# Altium PCB ESP32.PcbDoc
Units mil, origin at the board's own origin, x right, y up, seen from the top; angles counter-clockwise.
Board outline 3136.98 x 2510.07 mil, 2 copper layers (Top Layer, Bottom Layer); 56 components, 39 nets, 226 pads, 29 vias.
Unrouted connection lines stored in the file: 59.
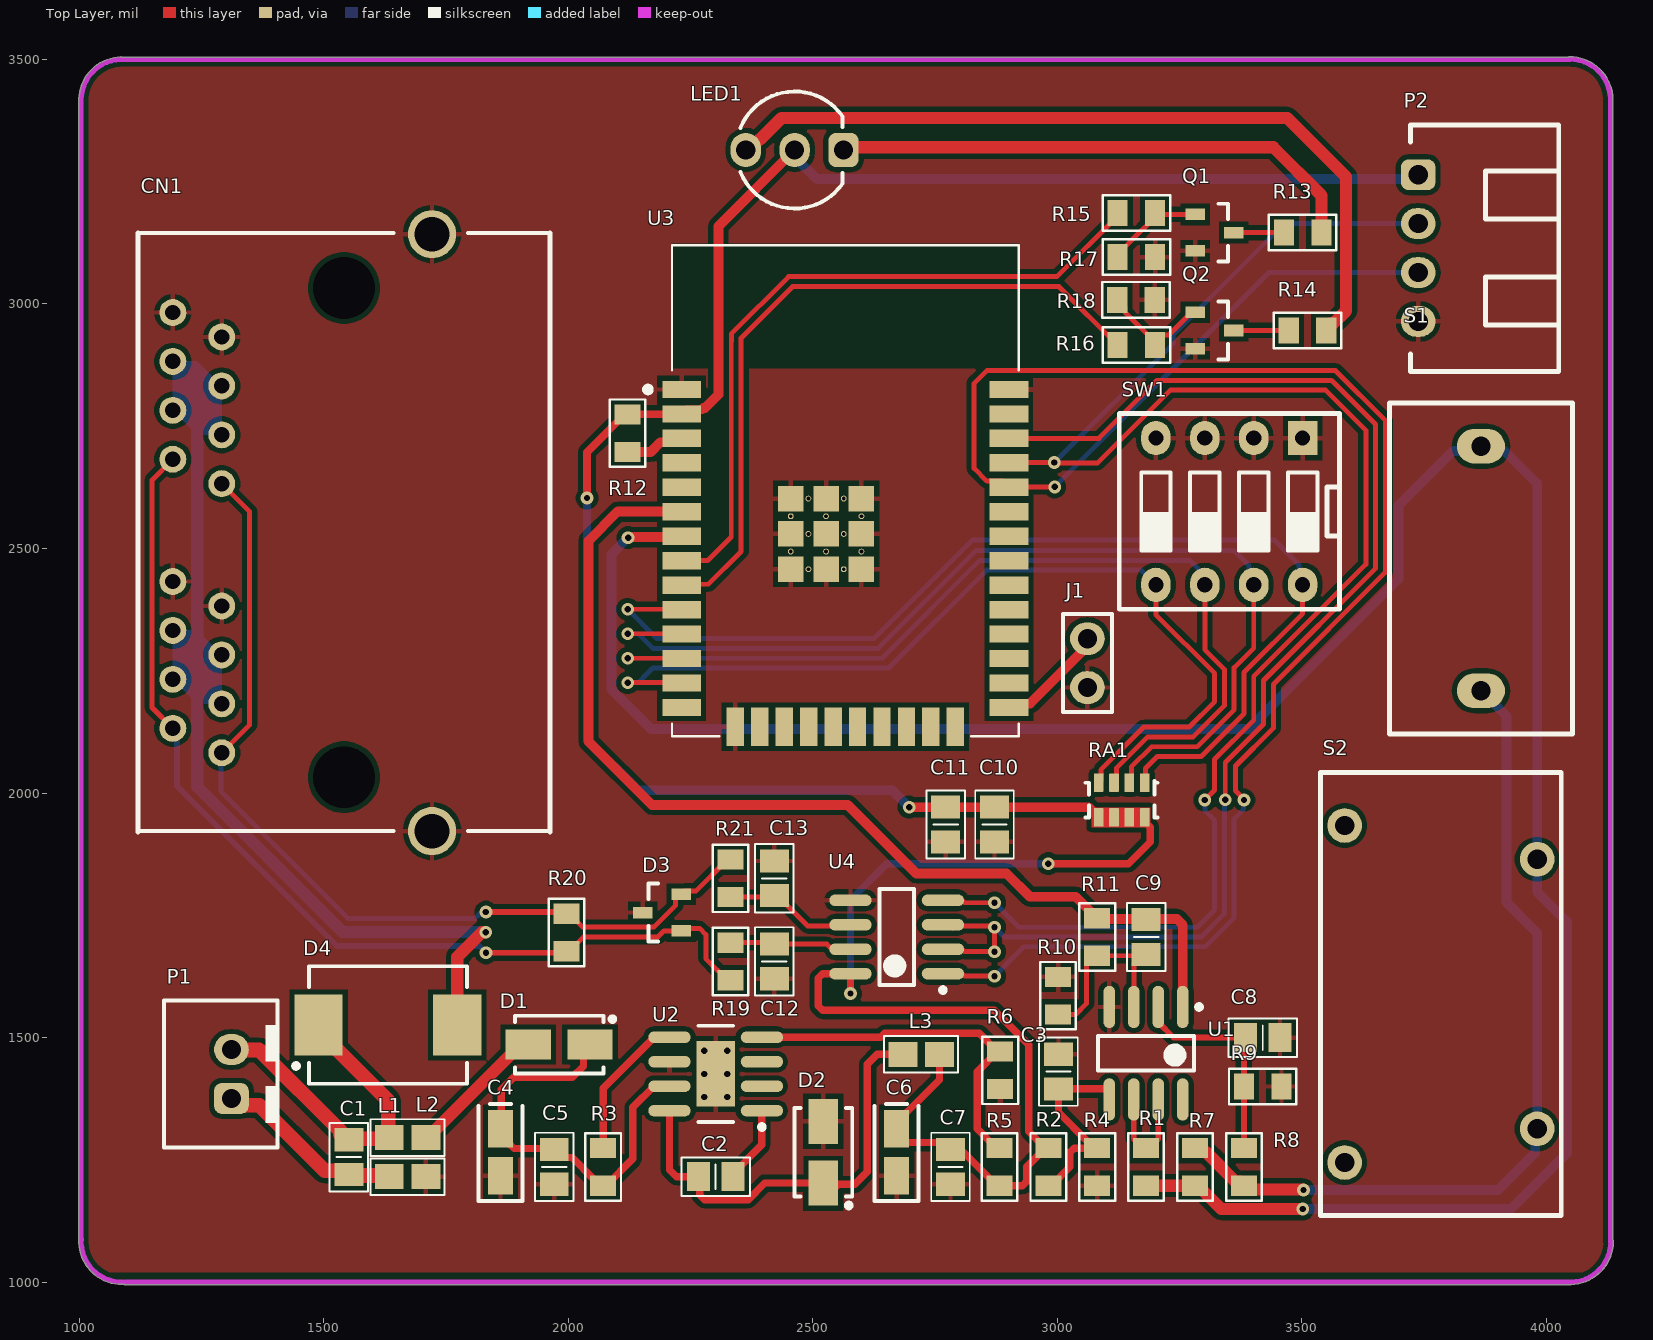
[diagram p0: Top Layer view]
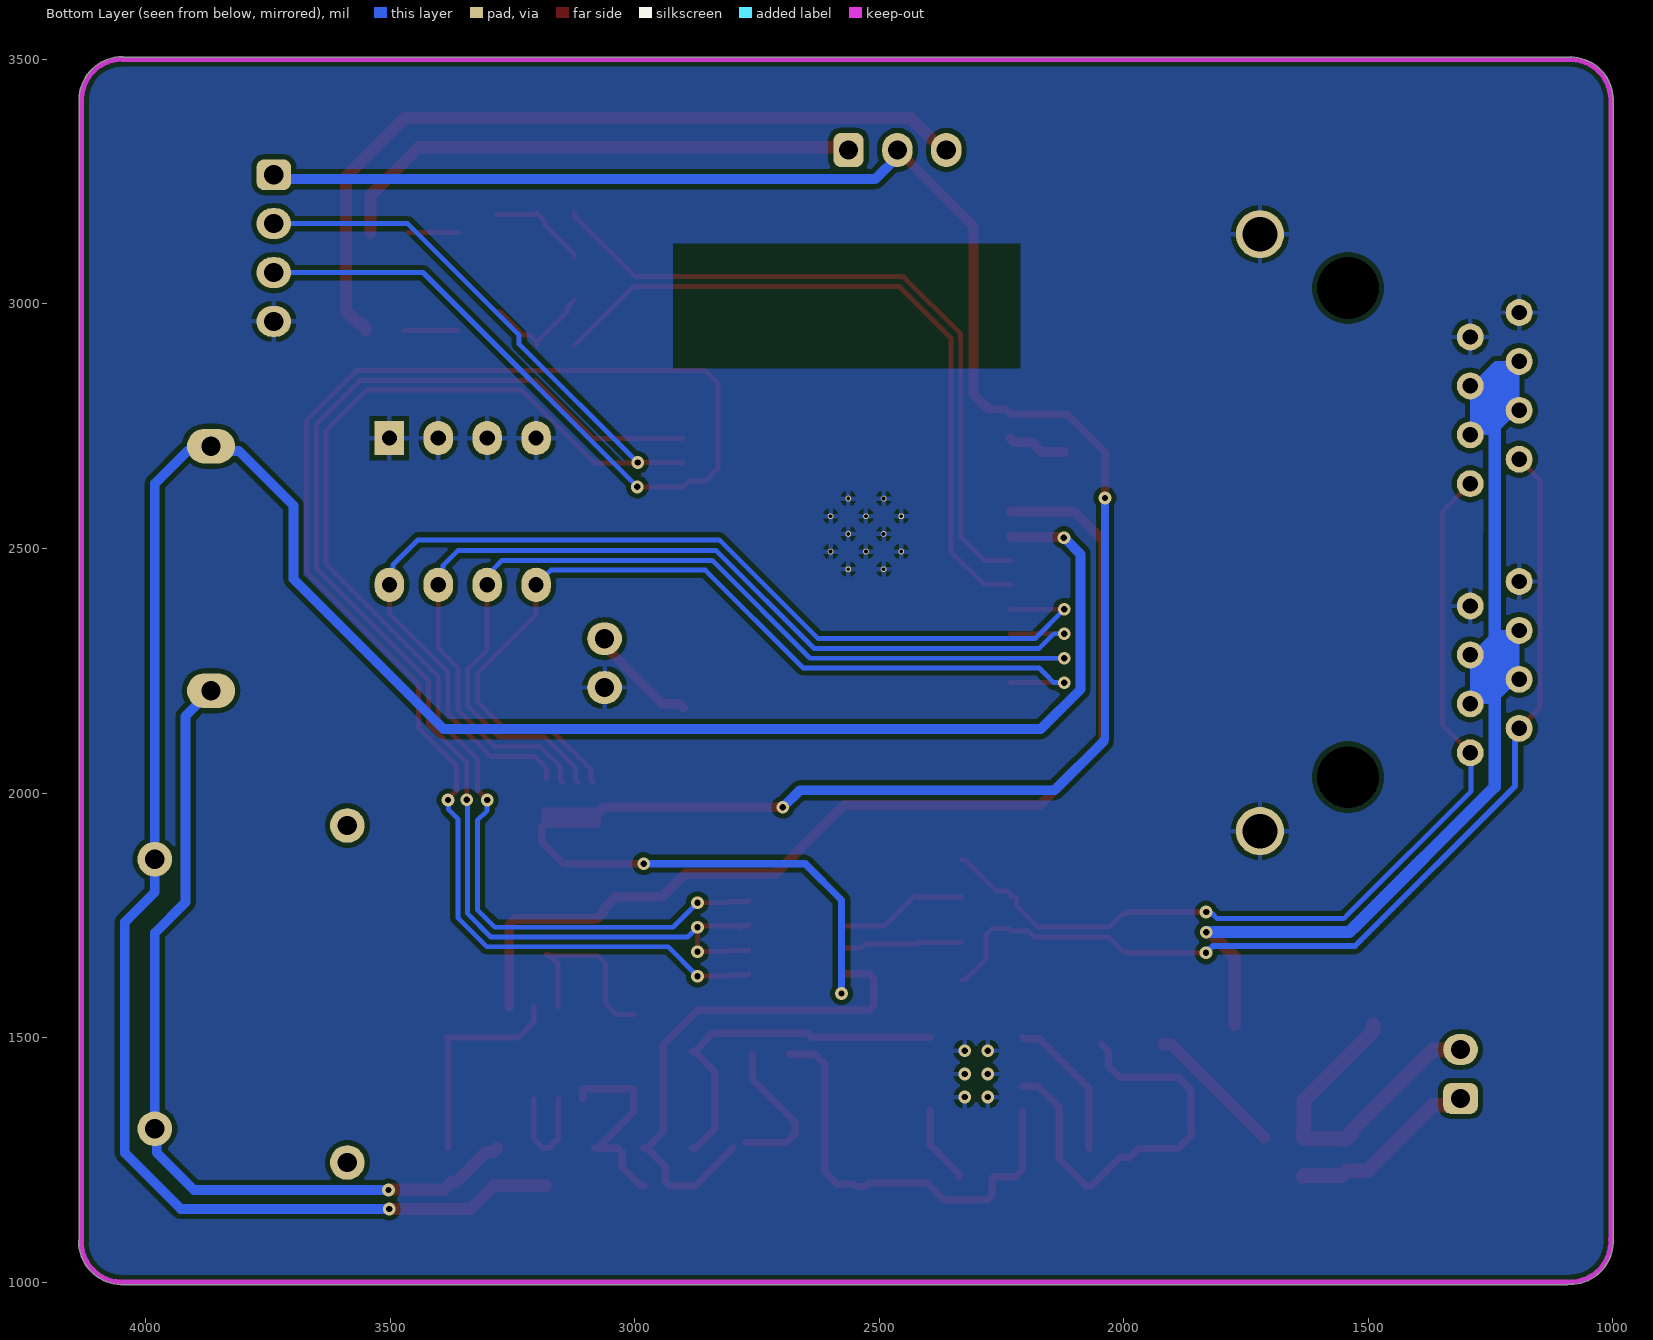
[diagram p1: Bottom Layer view, seen from below]

## Layer stack, top to bottom
Top Solder: solder mask 0.4, Solder Resist, Dk 3.5
Top Layer: signal copper 1.4
Dielectric 1: dielectric 12.6, FR-4, Dk 4.8
Bottom Layer: signal copper 1.4
Bottom Solder: solder mask 0.4, Solder Resist, Dk 3.5

## Board outline
1087.9,995.2 cw(c1087.9,1083.58) 999.62,1088.02 cw(c1004.57,1088.82) 999.56,1088.82 999.56,3418.4 cw(c1004.57,3418.4) 999.65,3419.35 cw(c1087.98,3416.41) 1085.64,3504.76 cw(c1085.78,3499.74) 1086.64,3504.69 4045.51,3504.69 cw(c4047.55,3500.11) 4047.55,3505.12 cw(c4047.55,3416.74) 4135.91,3419.08 cw(c4130.65,3418.95) 4135.91,3418.95 cw(c4130.91,3418.95) 4135.86,3418.24 cw(c4130.92,3417.33) 4135.94,3417.33 4135.94,1085.77 cw(c4131.52,1083.41) 4136.53,1083.41 cw(c4048.15,1083.41) 4050.49,995.05 cw(c4050.36,1000.08) 4050.03,995.06 1093.31,995.06 cw(c1093.31,1000.08) 1090.5,995.93 cw(c1087.9,1000.21)

## Design rules (kind name [scope] priority, off if disabled: settings)
Clearance [All] p1: gap=10 ignorepadtopadclearanceinfootprint=FALSE except(0: Arc-Hole Track-Hole SMDPad-Hole THPad-Hole Via-Hole Fill-Hole Poly-Hole Region-Hole Text-Hole)
ComponentClearance [InComponent('H*') OR InComponent('S1')] p1: gap=0 collisioncheckmode=3 verticalgap=0 showdistances=FALSE
Height [All] p1: minheight=0 maxheight=1181.1 prefheight=500
PolygonConnect [All] p1: connectstyle=Relief reliefconductorwidth=10 reliefentries=4 polygonreliefangle="90 Angle" airgapwidth=10
RoutingVias [All] p1: holewidth=28 width=50 viastyle="Through Hole" minholewidth=28 minwidth=50 maxholewidth=28 maxwidth=50
SolderMaskExpansion [All] p1: expansion=4 istentingtop=FALSE
Width [All] p1: maxlimit=78.74 minlimit=7.87 preferedwidth=15.75 minimp=50.000000 maximp=50.000000 favimp=50.000000
28 further rules are at their usual default settings.

## Components (designator, comment, footprint, x,y, rotation, side; value= is the part's Value field where it differs from the comment)
C1 "1uF" "C 0805" 1551.65,1255.61 r270 top
C2 "10nF" "C 0805" 2301.65,1215.61 r180 top
C3 "1uF" "C 0805" 3002.41,1430.55 r270 top
C4 "100uF/35V" "C SMD TAN 1206 (A)" 1861.65,1265.61 r270 top
C5 "0.1uF" "C 0805" 1971.65,1235.61 r270 top
C6 "220uF/16V" "C SMD TAN 1206 (A)" 2671.65,1265.61 r270 top
C7 "0.1uF" "C 0805" 2781.65,1235.61 r270 top
C8 "100pF" "C 0805" 3420,1500 r0 top
C9 "100pF" "C 0805" 3181.65,1705.61 r90 top
C10 "C" "C 0805" 2871.65,1935.61 r90 top
C11 "C" "C 0805" 2771.65,1935.61 r90 top
C12 "N/A" "C 0805" 2421.65,1655.61 r90 top
C13 "N/A" "C 0805" 2421.65,1825.61 r90 top
CN1 "RJ45 x2" CONN/RJ45/x2 1541.81,2532.33 r90 top
D1 "SS34" "DO-214AC (SMA)" 1981.65,1485.61 r0 top
D2 "SS34" "DO-214AC (SMA)" 2521.65,1265.61 r270 top
D3 "CDSOT23-SM712" SOT-23#1 2191.65,1755.61 r180 top
D4 "SS34" "DO-214AB (SMC)" 1631.65,1525.61 r180 top
J1 "JUMP 2" JUMP/2/Close 3061.65,2315.61 r270 top
L1 "FB" "Inductor SMD 0805 (2012)" 1671.65,1295.61 r0 top
L2 "FB" "Inductor SMD 0805 (2012)" 1671.65,1215.61 r0 top
L3 "15uH" "Inductor SMD 0805 (2012)" 2721.65,1465.61 r0 top
LED1 "Led 3pin 2color" "LED 3PIN 2COLOR 5MM" 2563.07,3314.6 r0 top
P1 "Header 2" HDR/Header/2/BOX 1311.65,1425.61 r180 top (schematic designator "ll 1")
P2 "Header 4" HDR/Header/4/BOX/RA 3737.78,3114.08 r270 top
Q1 "MMBT3904LT1G" SOT-23#2 3321.65,3145.61 r0 top
Q2 "MMBT3904LT1G" SOT-23#2 3321.65,2945.61 r0 top
R1 "0" "R 0805" 3181.65,1235.61 r90 top
R2 "1k" "R 0805" 2981.65,1235.61 r90 top
R3 "N/A" "R 0805" 2071.65,1235.61 r90 top
R4 "1k" "R 0805" 3081.65,1235.61 r90 top
R5 "10k" "R 0805" 2881.65,1235.61 r270 top
R6 "5.9k" "R 0805" 2883.39,1433.09 r90 top
R7 "100" "R 0805" 3281.65,1235.61 r270 top
R8 "1k" "R 0805" 3381.65,1235.61 r90 top
R9 "1k" "R 0805" 3420,1400 r0 top
R10 "1k" "R 0805" 3001.65,1585.61 r90 top
R11 "1k" "R 0805" 3081.65,1705.61 r270 top
R12 "R" "R 0805" 2121.65,2735.61 r270 top
R13 "20R" "R 0805" 3501.65,3145.61 r0 top
R14 "24R" "R 0805" 3511.65,2945.61 r0 top
R15 "4.7k" "R 0805" 3161.65,3185.61 r180 top
R16 "4.7k" "R 0805" 3161.65,2915.61 r0 top
R17 "47k" "R 0805" 3161.65,3095.61 r0 top
R18 "47k" "R 0805" 3160.88,3008.35 r0 top
R19 "10" "R 0805" 2331.65,1655.61 r90 top
R20 "120" "R 0805" 1996.35,1714.82 r270 top
R21 "10" "R 0805" 2331.65,1825.61 r270 top
RA1 "10k" "RAx4 1206 (3216)" 3131.65,1985.61 r270 top
S1 "TA12" TA12 3866.13,2459.04 r90 top
S2 "TA17" TA17 3784.33,1589.01 r90 top
SW1 "SW DIP-4" SW/DIP4 3501.65,2725.61 r180 top
U1 "LM358" SOIC-8 3181.37,1468.07 r270 top
U2 "TPS54xx" "SOIC-8 EP" 2301.65,1425.61 r180 top
U3 "ESP32-WROOM-32" MODULE_ESP32-WROOM-32 2566.65,2617.89 r0 top
U4 "MAX485" SOIC-8 2671.65,1705.61 r180 top

## Footprints (in the part's own frame and the unit in brackets; to place one, negate y for a bottom-side part, rotate by r counter-clockwise, add the part's x,y. Pads: shape width x height; smd on the part's side, far side on the other; paste and mask are expansions set on the pad)
"C 0805" [mm] "Chip Capacitor, 2-Leads, Body 2.0x1.3mm, IPC Medium Density"
  rect 1.2x1.5 smd: 1(-0.9,0) 2(0.9,0)
  silkscreen extent -1.78,-1 1.78,1, body extent -1,-0.64 1,0.61, height 0.6
"C SMD TAN 1206 (A)" [mm] "Molded Capacitor, 2-Leads, Body 3.2x1.6mm, IPC Medium Density"
  rect 1.95x1.3 smd: 1(-1.225,0) 2(1.225,0)
  silkscreen extent -2.5,-1.14 2.54,1.14, body extent -2.4,-0.9 2.4,0.9, height 1.8
CONN/RJ45/x2 [mm]
  round 1.4 hole 0.8: 1(-11.43,6.35) 2(-10.16,8.89) 3(-8.89,6.35) 4(-7.62,8.89) 5(-6.35,6.35) 6(-5.08,8.89) 7(-3.81,6.35) 8(-2.54,8.89) 11(2.54,6.35) 12(3.81,8.89) 13(5.08,6.35) 14(6.35,8.89) 15(7.62,6.35) 16(8.89,8.89) 17(10.16,6.35) 18(11.43,8.89)
  round 2.5 hole 1.8: 9(-15.5,-4.57) 10(15.5,-4.57)
  round 0 hole 3.2 unplated: HOLE(-12.7,0) HOLE(12.7,0)
  silkscreen extent -15.56,-10.7 15.56,10.7, body extent -15.5,-10.7 15.56,10.7, height 13.46
"DO-214AB (SMC)" [mm] "Molded Diode, 2-Leads, Body 7.9x5.8mm, IPC Low Density"
  rect 2.5x3.15 smd: 1(-3.6,0) 2(3.6,0)
  silkscreen extent -4.1,-3.05 4.9,3.05, body extent -3.98,-2.98 3.98,2.92, height 2.27
"DO-214AC (SMA)" [mm] "Molded Diode, 2-Leads, Body 4.3x2.7mm, IPC Medium Density"
  rect 2.35x1.55 smd: 1(-1.6,0) 2(1.6,0)
  silkscreen extent -2.3,-1.5 2.89,1.5, body extent -2.6,-1.3 2.6,1.3, height 2.4
HDR/Header/2/BOX [mm]
  rrect50% 1.8x1.6 hole 1: 1(0,1.27)
  oval 1.8x1.6 hole 1: 2(0,-1.27)
  silkscreen extent -2.41,-3.81 3.5,3.81, body extent -2.3,-3.79 3.4,3.71, height 7
HDR/Header/4/BOX/RA [mm]
  rrect50% 1.6x1.8 hole 1: 1(-3.81,0)
  oval 1.6x1.8 hole 1: 2(-1.27,0) 3(1.27,0) 4(3.81,0)
  silkscreen extent -6.4,-0.4 6.4,7.3, body extent -6.25,-0.3 6.25,7.3, height 5.9
"Inductor SMD 0805 (2012)" [mm] "Precision Wire Wound Inductor, 2-Leads, Body 2.0x1.2mm, IPC Medium Density"
  rect 1.5x1.3 smd: 1(-0.95,0) 2(0.95,0)
  silkscreen extent -1.92,-0.95 1.92,0.95, body extent -1,-0.6 1,0.6, height 0.95
JUMP/2/Close [mm]
  oval 1.7x1.8 hole 1: 1(0,0) 2(2.54,0)
  silkscreen extent -1.27,-1.27 3.81,1.27, body extent -1.27,-1.27 3.81,1.27, height 8.89
"LED 3PIN 2COLOR 5MM" [mil]
  rrect50% 62x70 hole 39: 1(0,0)
  oval 62x70 hole 39: 2(-100,0) 3(-200,0)
  silkscreen extent -211,-120 -2,120, body extent -218,-118 -2,118, height 335
MODULE_ESP32-WROOM-32 [mm]
  rect 2x0.9 smd: 1(-8.5,5.26) 2(-8.5,3.99) 3(-8.5,2.72) 4(-8.5,1.45) 5(-8.5,0.18) 6(-8.5,-1.09) 7(-8.5,-2.36) 8(-8.5,-3.63) 9(-8.5,-4.9) 10(-8.5,-6.17) 11(-8.5,-7.44) 12(-8.5,-8.71) 13(-8.5,-9.98) 14(-8.5,-11.25) 25(8.5,-11.25) 26(8.5,-9.98) 27(8.5,-8.71) 28(8.5,-7.44) 29(8.5,-6.17) 30(8.5,-4.9) 31(8.5,-3.63) 32(8.5,-2.36) 33(8.5,-1.09) 34(8.5,0.18) 35(8.5,1.45) 36(8.5,2.72) 37(8.5,3.99) 38(8.5,5.26)
  rect 0.9x2 smd: 15(-5.715,-12.25) 16(-4.445,-12.25) 17(-3.175,-12.25) 18(-1.905,-12.25) 19(-0.635,-12.25) 20(0.635,-12.25) 21(1.905,-12.25) 22(3.175,-12.25) 23(4.445,-12.25) 24(5.715,-12.25)
  rect 1.33x1.33 smd: 39(-2.835,-4.075) 39(-2.835,-2.24) 39(-2.835,-0.405) 39(-1,-4.075) 39(-1,-2.24) 39(-1,-0.405) 39(0.835,-4.075) 39(0.835,-2.24) 39(0.835,-0.405)
  round 0.3 hole 0.2: 39(-2.835,-3.157) 39(-2.835,-1.322) 39(-1.917,-4.075) 39(-1.917,-2.24) 39(-1.917,-0.405) 39(-1,-3.157) 39(-1,-1.322) 39(-0.082,-4.075) 39(-0.082,-2.24) 39(-0.082,-0.405) 39(0.835,-3.157) 39(0.835,-1.322)
  Top Layer pour cut-out: -9.017,12.827 -9.017,6.35 9.017,6.35 9.017,12.827
  Bottom Layer pour cut-out: -9.017,12.827 -9.017,6.35 9.017,6.35 9.017,12.827
  silkscreen extent -10.4,-12.75 9,12.75, body extent -9,-12.75 9,12.75, height 2.91
"R 0805" [mm] "Chip Resistor, 2-Leads, Body 2.0x1.3mm, IPC Medium Density"
  rect 1.05x1.35 smd: 1(-0.975,0) 2(0.975,0)
  silkscreen extent -1.75,-0.92 1.75,0.92, body extent -1,-0.61 1,0.59, height 0.5
"RAx4 1206 (3216)" [mm] "Resistor Array x4 1206 (4D03)"
  rrect10% 0.95x0.5 smd: 1(-0.9,1.2) 2(-0.9,0.4) 3(-0.9,-0.4) 4(-0.9,-1.2) 5(0.9,-1.2) 6(0.9,-0.4) 7(0.9,0.4) 8(0.9,1.2)
  silkscreen extent -0.99,-1.88 0.9,1.88, body extent -0.8,-1.6 0.8,1.6, height 0.5
SOIC-8 [mm] "SOIC, 8-Leads, Body 5.0x4.0mm (max), Pitch 1.27mm, IPC Medium Density"
  oval 2.2x0.6 smd: 1(-2.4,1.905) 2(-2.4,0.635) 3(-2.4,-0.635) 4(-2.4,-1.905) 5(2.4,-1.905) 6(2.4,-0.635) 7(2.4,0.635) 8(2.4,1.905)
  silkscreen extent -2.52,-2.5 0.9,2.88, body extent -3,-2.49 3,2.41, height 1.75
"SOIC-8 EP" [mm] "SOIC, 8-Leads, Body 5.0x4.0mm (max), Pitch 1.27mm, IPC Medium Density"
  oval 2.2x0.6 smd: 1(-2.4,1.905) 2(-2.4,0.635) 3(-2.4,-0.635) 4(-2.4,-1.905) 5(2.4,-1.905) 6(2.4,-0.635) 7(2.4,0.635) 8(2.4,1.905)
  rect 2x3.4 smd: 9(0,0)
  silkscreen extent -2.53,-2.5 0.9,2.88, body extent -3,-2.49 3,2.41, height 1.75
SOT-23#1 [mm] "SOT23, 3-Leads, Body 3.0x2.5mm (max), Pitch 0.95mm, IPC Medium Density"
  rect 1x0.6 smd: 1(-1,-0.95) 2(-1,0.95) 3(1,0)
  silkscreen extent 0.2,-1.5 0.7,1.5, body extent -1.28,-1.46 1.27,1.46, height 0.95
SOT-23#2 [mm] "SOT23, 3-Leads, Body 3.0x2.5mm (max), Pitch 0.95mm, IPC Medium Density"
  rect 1x0.6 smd: 1(-1,0.95) 2(-1,-0.95) 3(1,0)
  silkscreen extent 0.2,-1.5 0.7,1.5, body extent -1.28,-1.46 1.27,1.46, height 0.95
SW/DIP4 [mil]
  rect 60x70 hole 31: 1(0,0)
  oval 60x70 hole 31: 2(100,0) 3(200,0) 4(300,0) 5(300,300) 6(200,300) 7(100,300) 8(0,300)
  silkscreen extent -75,-50 375,350, body extent -50,0 350,300, height 165
TA12 [mm]
  oval 1.8x2.5 hole 1: 1(-6.35,0) 2(6.35,0)
  silkscreen extent -8.6,-4.75 8.6,4.75, body extent -8.6,-4.75 8.6,4.75, height 20.4
TA17 [mm]
  round 1.8 hole 1: 1(-7,-5) 2(7,-5) 3(8.75,5) 4(-8.75,5)
  silkscreen extent -11.5,-6.25 11.5,6.25, body extent -11.5,-6.25 11.5,6.25, height 26

## Part data
C1 C2 C3 C5 C7 C8 C9 C10 C11 C12 C13: library part "Capacitor NP", "Capacitor non-pol"
C4 C6: library part Capacitor, "Capacitor pol"
CN1: library part "CON RJ45 x2", "Connector RJ45 X2"
D1 D2 D4: library part "Diode Schottky", "Schottky Diode"
D3: "TVS DIODE 7V/12V 14V/26V SOT23-3"
L1 L2 L3: library part Inductor, "Inductor"
LED1: "Typical LED 3-pin 2-color"
P1: "Header, 2-Pin"
P2: "Header, 4-Pin"
Q1 Q2: library part "Transistor NPN", "NPN Bipolar Transistor"
R1 R2 R3 R4 R5 R6 R7 R8 R9 R10 R11 R12 R13 R14 R15 R16 R17 R18 R19 R20 R21: library part Resistor, "Resistor"
RA1: library part "Resistor Array x4"
U1: "Low Power Dual Operational Amplifiers"
U2: "3/5A, Wide input range, Step-down SWIFT DC-DC Converter"
U3: "Bluetooth, WiFi 802.11b/g/n, Bluetooth v4.2 + EDR, Class 1, 2 and 3 Transceiver Module 2.4GHz ~ 2.5GHz Integrated, Trace Surface Mount", PACKAGE="Module Espressif Systems", Availability=Unavailable, MF="Espressif Systems", MP=ESP32-WROOM-32D, Price=None, SnapEDA_Link=https://www.snapeda.com/parts/ESP32-WROOM-32D/Espressif%20Systems/view-part/2768115/?ref=snap
U4: "Low-Power, Slew-Rate-Limited  RS-485/RS-422 Transceivers"

## Via types
v1: diameter 25.98, hole 12.99, Top Layer to Bottom Layer, tented top, 25 vias
v2: diameter 25.98/25.98 (per signal layer), hole 12.99, Top Layer to Bottom Layer, tented top, 4 vias

## Nets (pads, with @x,y where several pads share a name; then routed paths per layer and width w, separated by ;. In a path a pad name is that pad's centre, name@x,y a point inside that pad or via, vN(x,y) a via of type N, cw(c..) or ccw(c..) an arc to the next point about the centre after c; other vN are vias at no path point)
3V3: C6.1 C7.1 C10.2 C11.2 L3.2 LED1.2 P2.1 R2.2 R5.2 R12.1 RA1.5 RA1.6 RA1.7 RA1.8 U3.2 U4.8 | length 6235.6
  Top Layer w10: RA1.7 RA1.7@3152.24,1955.02
  Top Layer w15: v1(2577.16,1590.1) U4.8 2520.43,1630.61 2511.65,1621.82 2511.65,1564.4 2520.43,1555.61 2871.25,1555.61 2941.65,1485.22 2941.65,1308.09 R2.2@2975.74,1274 ; L3.2 2759.05,1414.03 2714.39,1369.38 2671.65,1326.63 C6.1 2671.65,1303.7 2689.74,1285.61 C7.1@2772.98,1285.61 ; C7.1@2800.11,1274.07 2862.57,1211.61 2862.57,1210.39 2875.74,1197.22 R5.2 2928.78,1197.22 2937.57,1206.01 2937.57,1235.83 R2.2@2975.74,1274 ; R2.2 R2.2@2975.74,1274 ; v1(2981.65,1855.61) 3145.61,1855.61 3190,1900 3190,1930.21 3178.89,1941.32 RA1.8
  Top Layer w15.75: v2(2038.62,2603.13) 2038.62,2696.87 2115.74,2773.99 R12.1 2122.14,2774.49 2231.51,2774.49 U3.2 2241.84,2784.82 2274.21,2784.82
  Top Layer w20: 2274.21,2784.82 2276.65,2787.26 2279.65,2787.26 2307.13,2814.74 2307.13,3158.66 LED1.2 ; v1(2697.08,1971.04) C11.2 C10.2 3063.54,1971.04 3075.7,1958.88 3084.24,1958.88 3084.4,1958.72 RA1.5
  Bottom Layer w15: v1(2577.16,1590.1) 2577.16,1781.12 2651.65,1855.61 v1(2981.65,1855.61)
  Bottom Layer w15.75: v2(2038.62,2603.13) 2038.62,2108.64 2041.65,2105.61
  Bottom Layer w20: 2041.65,2105.61 2141.65,2005.61 2662.51,2005.61 v1(2697.08,1971.04) ; LED1.2@2461.65,3305.61 2461.65,3301.61 2508.21,3255.05 3714.39,3255.05 P2.1@3737.66,3278.31
"ADC1 _CH6": C9.2 R11.1 U1.1 U3.6 | length 2166.9
  Top Layer w20: U3.6 2231.69,2575.29 2101.33,2575.29 2041.65,2515.61 2041.65,2105.61 2171.65,1975.61 2571.65,1975.61 2711.65,1835.61 2896.29,1835.61 2943.77,1788.13 3037.52,1788.13 3065.07,1760.57 3065.07,1754.66 3075.74,1743.99 R11.1 3083.12,1742.52 3181.65,1742.52 3244.66,1742.52 3256.37,1730.8 U1.1
"ADC1 _CH7": R1.1 R7.2 S1.2 S2.2 U3.7 | length 5043.7
  Top Layer w20: v2(2122.53,2521.97) 2123.67,2523.11 2230.14,2523.11 U3.7
  Top Layer w25: R1.1 R7.2 3287.55,1197.22 3335.27,1149.5 v2(3501.99,1149.5)
  Bottom Layer w20: v2(2122.53,2521.97) 2088.65,2488.1 2088.65,2211.94 2169.88,2130.72 3390.72,2130.72 3697.75,2437.75 3697.75,2587.89 3809.36,2699.5 3856.59,2699.5 S1.2@3863.46,2706.37 ; v2(3501.99,1149.5) 3928,1149.5 4042.41,1263.91 4042.41,1736.05 3981.18,1797.28 S2.2 3981.18,2632.64 3914.52,2699.31 3870.52,2699.31 S1.2@3863.46,2706.37 ; S1.2 S1.2@3863.46,2706.37
ADC_IN: R7.1 R8.1 S1.1 S2.1 | length 1767.9
  Top Layer w25: R7.1 3289.82,1265.83 3304.17,1265.83 3364.61,1205.39 3373.48,1205.39 R8.1@3389.82,1189.05 ; R8.1 3389.74,1189.13 3502.23,1189.13 3502.95,1188.41 v2@3503.21,1188.41
  Bottom Layer w20: v2(3503.28,1188.34) 3901.02,1188.34 3977.38,1264.69 3977.38,1309.61 S2.1 3981.18,1713.6 3918.17,1776.62 3918.17,2157.02 S1.1
GND: C3.1 C4.2 C5.2 C6.2 C7.2 C8.2 C10.1 C11.1 C12.1 C13.2 CN1.7 CN1.8 CN1.9 CN1.10 CN1.17 CN1.18 D2.1 D3.3 J1.2 L2.2 P2.4 Q1.2 Q2.2 R4.1 R6.1 R9.2 R10.2 R17.2 R18.2 SW1.1 SW1.2 SW1.3 SW1.4 U1.4 U2.6 U2.9 U3.1 U3.15 U3.38 U3.39 U4.5
  other v1: 2278.02,1378.37 2325.27,1378.37 2278.02,1425.61 2325.27,1425.61 2278.02,1472.85 2325.27,1472.85
LED0: R15.2 U3.8 | length 1432.1
  Top Layer w10: U3.8 2284.98,2474.98 2333.39,2523.39 2333.39,2923.39 2333.67,2923.67 2333.67,2938.6 2450.69,3055.61 2999.17,3055.61 3123.26,3179.7 R15.2
LED1: R16.1 U3.9 | length 1449.7
  Top Layer w10: U3.9 2233.75,2426.73 2286.73,2426.73 2353.67,2493.67 2353.67,2930.31 2458.97,3035.61 3003.26,3035.61 R16.1
NetC2_1: C2.1 U2.1 | length 159.5
  Top Layer w15: C2.1 2337.08,1221.51 2396.13,1280.57 U2.1
NetC2_2: C2.2 D2.2 L3.1 U2.8 | length 901
  Top Layer w15: U2.8 2207.16,1230.1 2221.65,1215.61 C2.2 2269.12,1212.7 2269.12,1178.13 2278.67,1168.58 2367.95,1168.58 2401.99,1202.62 D2.2 2528.65,1195.61 2548.65,1195.61 2552.88,1199.83 2585.87,1199.83 2611.65,1225.61 2611.65,1445.61 2631.65,1465.61 L3.1
NetC3_2: C3.2 R2.1 R4.2 U1.5 | length 431.7
  Top Layer w15: R2.1 2987.55,1197.22 3025.72,1235.39 3025.72,1265.21 3034.51,1274 R4.2 3075.74,1274 3062.57,1287.16 3002.41,1347.32 C3.2 3105.52,1395.12 3106.37,1394.26 U1.5
NetC8_1: C8.1 R8.2 R9.1 U1.2 | length 443.9
  Top Layer w12: U1.2 3206.37,1531.06 3237.43,1500 C8.1 ; R8.2 R9.1 C8.1@3381.65,1495.37
NetC9_1: C9.1 R10.1 R11.2 U1.3 | length 430.7
  Top Layer w10: R10.1 3037.36,1547.22 3060.07,1569.93 3060.07,1651.55 3075.74,1667.22 C9.1@3178.69,1667.22 ; U1.3 3157.12,1563.3 C9.1@3157.12,1651.55 ; C9.1@3157.12,1651.55 C9.1@3159.5,1651.55 ; C9.1@3157.12,1651.55 C9.1@3159.5,1651.55 ; C9.1@3157.12,1651.55 3175.74,1670.18 C9.1 3178.12,1670.18 C9.1@3159.5,1651.55
NetC12_2: C12.2 R19.2 U4.7 | length 249.8
  Top Layer w10: R19.2 C12.2@2421.65,1694 ; C12.2 2528.96,1691.04 2536.78,1683.22 2574.55,1683.22 U4.7
NetC13_1: C13.1 R21.2 U4.6 | length 271.6
  Top Layer w10: R21.2 C13.1@2421.65,1787.22 ; C13.1@2422.14,1789.68 2428.04,1789.68 2489.72,1728 2574.55,1728 U4.6
NetD1_1: D1.1 L1.2 | length 284.4
  Top Layer w25: L1.2@1712.98,1295.61 1884.89,1467.52 1884.89,1467.6 1902.91,1485.61 D1.1
NetJ1_1: J1.1 U3.25 | length 227.8
  Top Layer w20: U3.25 2909.01,2182.7 2944.38,2182.7 3050.7,2289.01 3050.7,2304.66 J1.1
NetLED1_1: LED1.1 R13.2 | length 1097
  Top Layer w25: LED1.1@2561.65,3315.55 2566.1,3320 3441.59,3320 3540.03,3221.56 R13.2
NetLED1_3: LED1.3 R14.2 | length 1642.6
  Top Layer w25: LED1.3@2361.65,3307.16 2390.74,3336.25 2392.29,3336.25 2436.04,3380 3470,3380 3590,3260 3590,3028.63 ; R14.2 3550.03,2951.51 3558.2,2959.68 3564.11,2959.68 3589.99,2985.57 3589.99,3028.62
NetQ1_1: Q1.1 R15.1 R17.1 | length 205.6
  Top Layer w10: R17.1 3123.26,3101.51 3167.74,3145.99 3177.72,3155.98 3178.5,3155.98 3184.36,3161.83 3184.36,3169.94 R15.1 3202.63,3183.01 Q1.1
NetQ1_3: Q1.3 R13.1 | length 102.2
  Top Layer w10: Q1.3 R13.1
NetQ2_1: Q2.1 R16.2 R18.1 | length 232.6
  Top Layer w10: R18.1 3138.16,2992.68 3138.16,2983.39 R16.2@3200.03,2921.51 ; R16.2 R16.2@3200.03,2921.51 ; Q2.1 3274.4,2983.01 3227.74,2936.35 3214.87,2936.35 R16.2@3200.03,2921.51
NetQ2_3: Q2.3 R14.1 | length 112.2
  Top Layer w10: Q2.3 R14.1
NetR1_2: R1.2 U1.6 U1.7 | length 226.8
  Top Layer w12: U1.6 3156.37,1293.36 3175.74,1274 3187.55,1274 3206.37,1292.82 U1.7
NetR3_2: R3.2 U2.5 | length 301.2
  Top Layer w15: R3.2 2071.65,1396.59 2172.85,1497.79 2204.34,1497.79 U2.5
NetR5_1: R5.1 R6.2 U2.4 | length 743
  Top Layer w15: U2.4 2639.38,1500.61 2647.47,1508.7 2840.26,1508.7 R6.2@2877.49,1471.47 ; R5.1 2875.74,1273.99 2862.57,1287.16 2836.09,1313.64 2836.09,1430.08 R6.2@2877.49,1471.47 ; R6.2 R6.2@2877.49,1471.47
NetR12_2: R12.2 U3.3 | length 121.9
  Top Layer w20: R12.2 2168.87,2697.22 2188.91,2717.26 2224.28,2717.26 U3.3
PGND: C1.2 L2.1 P1.1 | length 388.9
  Top Layer w30: P1.1 1325.95,1361.31 1368.69,1361.31 1502.34,1227.66 1544.16,1227.66 1553.93,1217.89 1631.96,1217.89 L2.1
RS485_5V: CN1.3 CN1.4 CN1.5 CN1.6 CN1.13 CN1.14 CN1.15 CN1.16 D4.1 | length 1707.9
  Top Layer w25: D4.1 1773.38,1664.92 1823.88,1715.42 v1@1831.19,1715.42
  Bottom Layer w25: 1241.75,2789.5 1241.75,2711.59 1241.87,2711.48 1241.87,2653.18 1241.75,2653.06 1241.75,2532.39 1241.87,2532.27 1241.87,2403.18 1241.75,2403.06 1241.75,2161.59 1241.87,2161.48 1241.87,2103.18 1241.75,2103.06 1241.75,2012.97 1526.61,1728.11 1539.11,1715.61 v1(1831.65,1715.61)
RS485_A: CN1.1 CN1.11 D3.1 R20.1 R21.1 | length 1910.4
  Top Layer w10: CN1.1 1348.91,2139.43 1348.91,2575.23 CN1.11 ; R20.1 2002.26,1753.2 2029.53,1725.93 2175.31,1725.93 2219.67,1770.29 2219.67,1786.2 2222.26,1788.79 D3.1@2232,1788.79 ; D3.1 2237.83,1799.82 2261.57,1799.82 2325.74,1863.99 R21.1
  Top Layer w12: v1(1831.88,1756.63) 1992.93,1756.63 R20.1
  Bottom Layer w10: CN1.1 1290,2080.52 1290,2003.61 1538,1755.61 1550.5,1743.11 1809.23,1743.11 1819.69,1753.57 1828.82,1753.57 v1(1831.88,1756.63)
RS485_B: CN1.2 CN1.12 D3.2 R19.1 R20.2 | length 2073.8
  Top Layer w10: CN1.2 1149.25,2174.89 1149.25,2639.77 CN1.12 ; R20.2 2002.26,1676.43 2031.75,1705.93 2183.59,1705.93 2195.87,1718.21 D3.2 ; D3.2@2229.5,1716.69 2236.07,1723.26 2268.78,1723.26 2281.65,1710.4 2281.65,1661.32 2325.74,1617.22 R19.1
  Top Layer w12: v1(1831.97,1673.32) 1993.24,1673.32 R20.2
  Bottom Layer w12: CN1.2 1200.06,2124.08 1200.06,2014.35 1527.31,1687.11 1817.95,1687.11 v1@1831.03,1674.03
RS485_EN: U3.36 U4.2 U4.3 | length 2750.9
  Top Layer w10: U4.2 2768.74,1678 2807.91,1678 2810.3,1675.61 v1(2871.65,1675.61) v1(2871.65,1725.61) 2869.15,1728.11 U4.3@2783.2,1728.11 ; U4.3@2786.99,1724.32 U4.3@2783.2,1728.11 ; U3.36 3084.98,2724.98 3203.62,2843.62 3560.58,2843.62 3650.81,2753.4 3650.81,2459.22 3421.65,2230.05 3421.65,2140.76 3343.29,2062.4 v1(3343.29,1986.12) ; U4.3@2783.2,1728.11 2780.7,1730.61 U4.3 2768.63,1728.11 U4.3@2783.2,1728.11
  Bottom Layer w10: v1(2871.65,1725.61) 2891.65,1705.61 3294.07,1705.61 3341.65,1753.18 3341.65,1984.47 v1(3343.29,1986.12)
RXD0: P2.3 U3.34 U4.1 | length 3984.3
  Top Layer w10: U4.1 2768.74,1628 2807.91,1628 2810.3,1625.61 v1(2871.65,1625.61) ; v1(2994.62,2625.76) 2902.07,2625.76 U3.34 2888.58,2637.7 2855.86,2637.7 2830,2663.55 2830,2837.77 2855.86,2863.62 3568.87,2863.62 3670.81,2761.68 3670.81,2450.93 3441.65,2221.77 3441.65,2132.47 3364.3,2055.13 3364.3,2004.69 3381.65,1987.35 v1(3381.65,1985.61) ; P2.3@3734.49,3075.15 P2.3@3737.66,3078.31
  Bottom Layer w10: v1(2871.65,1625.61) 2931.65,1685.61 3302.36,1685.61 3361.65,1744.9 3361.65,1947.19 3381.06,1966.61 3381.06,1985.03 v1(3381.65,1985.61) ; v1(2994.62,2625.76) 3432.93,3064.08 P2.3
SW1: RA1.1 SW1.8 U3.10 | length 2258.5
  Top Layer w10: v1(2121.65,2375.61) 2231.37,2375.61 U3.10 ; RA1.1@3180,2030 3180,2050 3204.62,2074.62 3294.21,2074.62 3381.65,2162.06 3381.65,2246.62 3501.65,2366.62 SW1.8
  Bottom Layer w10: v1(2121.65,2375.61) 2181.65,2315.61 2625.08,2315.61 2827.1,2517.63 3443.15,2517.63 3494.09,2466.69 3494.09,2433.16 SW1.8 SW1.8@3487.33,2411.29
SW2: RA1.2 SW1.7 U3.11 | length 2096.8
  Top Layer w10: v1(2121.65,2325.61) 2231.37,2325.61 U3.11 ; RA1.2 3151.54,2025.18 3151.54,2053.28 3192.88,2094.62 3285.92,2094.62 3361.65,2170.35 3361.65,2256.19 3401.65,2296.19 SW1.7
  Bottom Layer w10: v1(2121.65,2325.61) 2143.36,2325.61 2173.36,2295.61 2633.36,2295.61 2833.36,2495.61 3361.65,2495.61 3392.33,2464.93 3392.33,2434.93 SW1.7
SW3: RA1.3 SW1.6 U3.12 | length 1974.9
  Top Layer w10: v1(2121.65,2275.61) 2231.37,2275.61 U3.12 ; RA1.3 3120.74,2025.88 3120.74,2050.77 3184.59,2114.62 3277.64,2114.62 3341.65,2178.63 3341.65,2252.84 3301.65,2292.84 SW1.6
  Bottom Layer w10: v1(2121.65,2275.61) 2641.65,2275.61 2841.65,2475.61 3271.41,2475.61 3287.21,2459.81 3287.21,2458.58 3301.65,2444.14 SW1.6
SW4: RA1.4 SW1.5 U3.13 | length 1905.4
  Top Layer w10: v1(2121.65,2225.61) 2231.37,2225.61 U3.13 ; RA1.4 3089.24,2025.88 3089.24,2047.56 3176.31,2134.62 3269.35,2134.62 3321.65,2186.91 3321.65,2244.56 3201.65,2364.56 SW1.5
  Bottom Layer w10: v1(2121.65,2225.61) 2143.09,2225.61 2160.79,2243.32 2173.11,2255.61 2655.61,2255.61 2855.61,2455.61 3171.29,2455.61 3201.29,2425.61 SW1.5
TXD0: P2.2 U3.35 U4.4 | length 3499.9
  Top Layer w10: U4.4 2768.74,1778 2807.91,1778 2810.3,1775.61 v1(2871.65,1775.61) ; U3.35 2901.9,2675.59 v1(2993.94,2675.59) 2994.53,2675 3082.4,2675 3231.02,2823.62 3548.82,2823.62 3630.81,2741.64 3630.81,2467.5 3401.65,2238.34 3401.65,2149.04 3321.34,2068.74 3321.34,2005.82 v1@3301.65,1986.13
  Bottom Layer w10: v1(2871.65,1775.61) 2921.65,1725.61 3285.79,1725.61 3321.65,1761.47 3321.65,1943.98 3301.65,1963.98 v1(3301.65,1985.61) ; v1(2993.94,2675.59) 3236.18,2917.84 3236.18,2936.12 3464.14,3164.08 P2.2
VIN: C1.1 D4.2 L1.1 P1.2 | length 692.3
  Top Layer w30: P1.2 1312.64,1474.62 1368.07,1474.62 1534.62,1308.07 1534.62,1302.16 1545.74,1291.04 C1.1 1553.93,1293.33 L1.1@1631.96,1293.33 ; D4.2 1489.91,1512.81 1631.96,1370.77 1631.96,1295.61 L1.1
VIN_FIL: C4.1 C5.1 D1.2 R3.1 U2.7 | length 865.1
  Top Layer w15: D1.2 2031.38,1472.36 2031.38,1441.38 2008.66,1418.66 1888.66,1418.66 1863.55,1393.55 1863.55,1315.74 C4.1 1861.65,1301.04 1879.74,1282.95 1889.42,1273.27 1969.42,1273.27 1987.77,1254.92 2008.04,1254.92 2052.57,1210.39 2065.74,1197.22 2077.55,1197.22 2132.37,1252.04 2132.37,1357.31 2175.66,1400.61 U2.7
pads on no net: CN1.HOLE S2.3 S2.4 U1.8 U2.2 U2.3 U3.4 U3.5 U3.14 U3.16 U3.17 U3.18 U3.19 U3.20 U3.21 U3.22 U3.23 U3.24 U3.26 U3.27 U3.28 U3.29 U3.30 U3.31 U3.32 U3.33 U3.37

## Polygon pours and split planes (outlines as drawn)
GND on Bottom Layer "GND_L02_P000" (solid, remove dead copper, pour order 0): 990,3510 990,990 1000,980 1030,1010 4150,1010 4150,3490 4120,3520 1000,3520
GND on Top Layer "GND_L01_P001" (solid, remove dead copper, pour order 1): 1010,3500 1010,1040 990,1020 4120,1020 4120,3480 4155,3515 995,3515

## Keep-outs
Keep-Out Layer:
  lines w10: 1004.57,1088.82 1004.57,3418.4 ; 1004.61,3416.41 cw(c1087.99,3416.41) 1085.78,3499.75 ; 1004.69,1088.81 ccw(c1087.9,1083.58) 1087.9,1000.21 ; 1085.85,3499.67 4048.58,3499.67 ; 1093.31,1000.08 4050.22,1000.08 ; 4047.55,3500.11 cw(c4047.55,3416.74) 4130.89,3418.95 ; 4050.36,1000.06 ccw(c4048.15,1083.41) 4131.52,1083.41 ; 4130.93,1080.78 4130.93,3417.33

## Other copper
Top Layer:
  region net 3V3: 3190,1970 3190,1930 3070,1930 3070,1970
Bottom Layer:
  region net RS485_5V: 1191.81,2882.33 1241.81,2882.33 1291.81,2832.33 1291.81,2732.33 1241.81,2732.33 1191.81,2782.33
  region net RS485_5V: 1191.81,2232.33 1191.81,2332.33 1241.81,2332.33 1291.81,2282.33 1291.81,2182.33 1241.81,2182.33

## Text inside footprints (layer, text, board x,y; h text height)
U3: Mechanical 13 "ANTENNA" at 2330.43,2972.22 h70